# Altium PCB CONTROLLER_BASE.PcbDoc (part 6 of 7)
Units mm, origin at the board's own origin, x right, y up, seen from the top; angles counter-clockwise.
Board outline 258 x 160 mm, 4 copper layers (Top Layer, Internal Plane 1, Internal Plane 2, Bottom Layer); 818 components, 410 nets, 2314 pads, 511 vias.
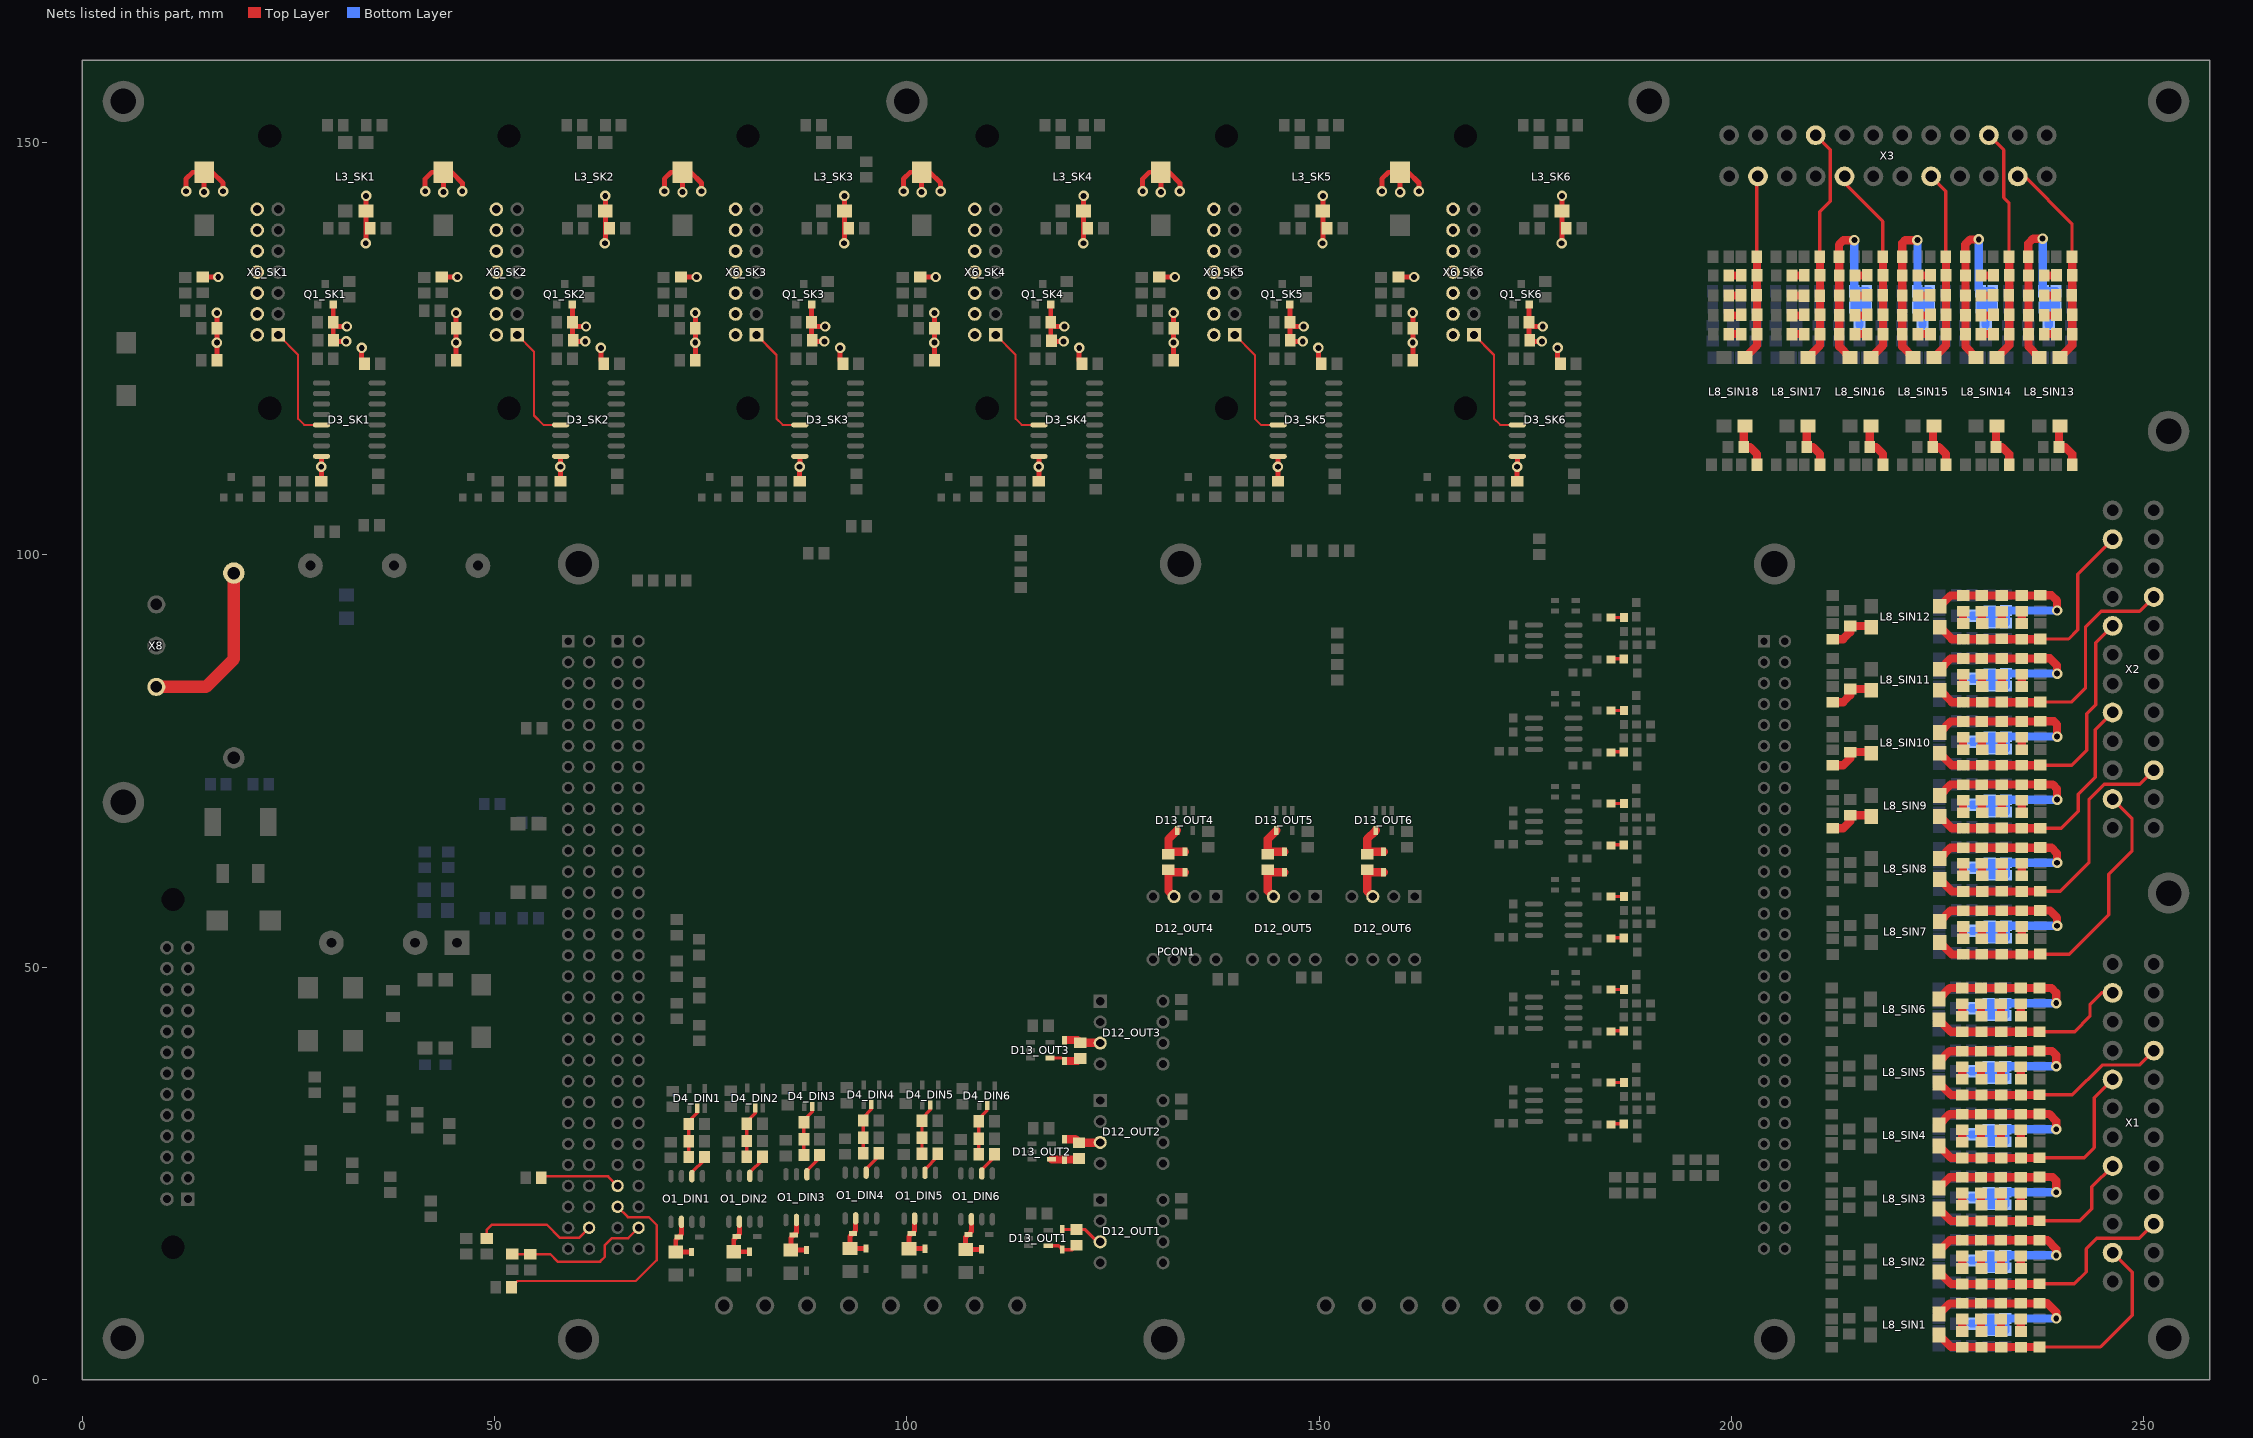
[diagram p8: the nets of this part, all layers, seen from the top]

## Via types
v1: diameter 1.27, hole 0.711, Top Layer to Bottom Layer, tented both sides, 414 vias
v2: diameter 0.9, hole 0.4, Top Layer to Bottom Layer, tented both sides, 95 vias
v3: diameter 0.9, hole 0.5, Top Layer to Bottom Layer, tented both sides, 2 vias

## Nets (pads, with @x,y where several pads share a name; then routed paths per layer and width w, separated by ;. In a path a pad name is that pad's centre, name@x,y a point inside that pad or via, vN(x,y) a via of type N, cw(c..) or ccw(c..) an arc to the next point about the centre after c; other vN are vias at no path point) (continued)
NetC45_SIN9_2: C45_SIN9.2 L7_SIN9.1 L8_SIN9.1 | length 5.7
  Top Layer w1: L7_SIN9.1@212.249,66.847 213.529,66.847 214.382,67.7 C45_SIN9.2@214.382,68.447 L8_SIN9.1@216.806,68.447
NetC45_SIN10_2: C45_SIN10.2 L7_SIN10.1 L8_SIN10.1 | length 5.7
  Top Layer w1: L7_SIN10.1@212.249,74.492 213.529,74.492 214.382,75.345 C45_SIN10.2@214.382,76.092 L8_SIN10.1@216.806,76.092
NetC45_SIN11_2: C45_SIN11.2 L7_SIN11.1 L8_SIN11.1 | length 5.7
  Top Layer w1: L7_SIN11.1@212.249,82.137 213.529,82.137 214.382,82.991 C45_SIN11.2@214.382,83.738 L8_SIN11.1@216.806,83.738
NetC45_SIN12_2: C45_SIN12.2 L7_SIN12.1 L8_SIN12.1 | length 5.7
  Top Layer w1: L7_SIN12.1@212.249,89.783 213.529,89.783 214.382,90.636 C45_SIN12.2@214.382,91.383 L8_SIN12.1@216.806,91.383
NetC45_SIN13_2: C45_SIN13.2 L7_SIN13.1 L8_SIN13.1 | length 5.7
  Top Layer w1: L8_SIN13.1@239.703,115.508 C45_SIN13.2@239.703,113.085 240.45,113.085 241.303,112.231 L7_SIN13.1@241.303,110.951
NetC45_SIN14_2: C45_SIN14.2 L7_SIN14.1 L8_SIN14.1 | length 5.7
  Top Layer w1: L8_SIN14.1@232.058,115.508 C45_SIN14.2@232.058,113.085 232.805,113.085 233.658,112.231 L7_SIN14.1@233.658,110.951
NetC45_SIN15_2: C45_SIN15.2 L7_SIN15.1 L8_SIN15.1 | length 5.7
  Top Layer w1: L8_SIN15.1@224.412,115.508 C45_SIN15.2@224.412,113.085 225.159,113.085 226.013,112.231 L7_SIN15.1@226.013,110.951
NetC45_SIN16_2: C45_SIN16.2 L7_SIN16.1 L8_SIN16.1 | length 5.7
  Top Layer w1: L8_SIN16.1@216.767,115.508 C45_SIN16.2@216.767,113.085 217.514,113.085 218.367,112.231 L7_SIN16.1@218.367,110.951
NetC45_SIN17_2: C45_SIN17.2 L7_SIN17.1 L8_SIN17.1 | length 5.7
  Top Layer w1: L8_SIN17.1@209.122,115.508 C45_SIN17.2@209.122,113.085 209.868,113.085 210.722,112.231 L7_SIN17.1@210.722,110.951
NetC45_SIN18_2: C45_SIN18.2 L7_SIN18.1 L8_SIN18.1 | length 5.7
  Top Layer w1: L8_SIN18.1@201.476,115.508 C45_SIN18.2@201.476,113.085 202.223,113.085 203.076,112.231 L7_SIN18.1@203.076,110.951
NetC48_DIN1_1: C48_DIN1.1 D4_DIN1.2 R57_DIN1.2 R58_DIN1.2 | length 6.3
  Top Layer w0.4: R58_DIN1.2@73.574,27.006 R57_DIN1.2@73.574,30.993 73.574,31.359 74.574,32.36 D4_DIN1.2@74.574,32.912
NetC48_DIN2_1: C48_DIN2.1 D4_DIN2.2 R57_DIN2.2 R58_DIN2.2 | length 6.3
  Top Layer w0.4: R58_DIN2.2@80.602,27.038 R57_DIN2.2@80.602,31.026 80.602,31.301 81.603,32.302 D4_DIN2.2@81.603,32.945
NetC48_DIN3_1: C48_DIN3.1 D4_DIN3.2 R57_DIN3.2 R58_DIN3.2 | length 6.3
  Top Layer w0.4: R58_DIN3.2@87.518,27.234 R57_DIN3.2@87.518,31.222 87.518,31.46 88.519,32.461 D4_DIN3.2@88.519,33.141
NetC48_DIN4_1: C48_DIN4.1 D4_DIN4.2 R57_DIN4.2 R58_DIN4.2 | length 6.3
  Top Layer w0.4: R58_DIN4.2@94.701,27.432 R57_DIN4.2@94.701,31.42 94.701,31.76 95.702,32.761 D4_DIN4.2@95.702,33.339
NetC48_DIN5_1: C48_DIN5.1 D4_DIN5.2 R57_DIN5.2 R58_DIN5.2 | length 6.3
  Top Layer w0.4: R58_DIN5.2@101.844,27.412 R57_DIN5.2@101.844,31.4 101.844,31.714 102.845,32.715 D4_DIN5.2@102.845,33.319
NetC48_DIN6_1: C48_DIN6.1 D4_DIN6.2 R57_DIN6.2 R58_DIN6.2 | length 6.3
  Top Layer w0.4: R58_DIN6.2@108.727,27.325 R57_DIN6.2@108.727,31.313 108.727,31.638 109.728,32.639 D4_DIN6.2@109.728,33.232
NetD12_OUT1_3: D12_OUT1.3 R49_OUT1.2 VD11_OUT1.1 | length 5.1
  Top Layer w0.4: VD11_OUT1.1@118.918,18.197 R49_OUT1.2@120.574,18.197 121.63,18.197 123.114,16.713 D12_OUT1.3@123.444,16.713
NetD12_OUT2_3: D12_OUT2.3 R49_OUT2.2 VD11_OUT2.1 | length 4
  Top Layer w1: 119.583,29.159 120.432,29.159 R49_OUT2.2@120.879,28.712 D12_OUT2.3@123.393,28.712
NetD12_OUT3_3: D12_OUT3.3 R49_OUT3.2 VD11_OUT3.1 | length 4.1
  Top Layer w1: 119.405,41.173 120.686,41.173 R49_OUT3.2@121.006,40.853 D12_OUT3.3@123.404,40.853
NetD12_OUT4_3: D12_OUT4.3 R49_OUT4.2 VD11_OUT4.1 | length 5.2
  Top Layer w1: R49_OUT4.2@131.72,61.812 131.72,59.252 D12_OUT4.3@132.4,58.572 ; R49_OUT4.2@132.02,61.512 VD11_OUT4.1@133.72,61.512
NetD12_OUT5_3: D12_OUT5.3 R49_OUT5.2 VD11_OUT5.1 | length 5.2
  Top Layer w1: R49_OUT5.2@143.77,61.812 143.77,59.252 D12_OUT5.3@144.45,58.572 ; R49_OUT5.2@144.07,61.512 VD11_OUT5.1@145.77,61.512
NetD12_OUT6_3: D12_OUT6.3 R49_OUT6.2 VD11_OUT6.1 | length 5.2
  Top Layer w1: R49_OUT6.2@155.82,61.812 155.82,59.252 D12_OUT6.3@156.5,58.572 ; R49_OUT6.2@156.12,61.512 VD11_OUT6.1@157.82,61.512
NetD13_OUT1_4: D13_OUT1.4 R49_OUT1.1 VD11_OUT1.2 | length 3.8
  Top Layer w0.4: D13_OUT1.4@117.151,16.22 118.394,16.22 VD11_OUT1.2@118.847,15.768 120.045,15.768 R49_OUT1.1@120.574,16.297
NetD13_OUT2_4: D13_OUT2.4 R49_OUT2.1 VD11_OUT2.2 | length 3.2
  Top Layer w1: D13_OUT2.4@117.557,26.711 R49_OUT2.1@120.777,26.711
NetD13_OUT3_4: D13_OUT3.4 R49_OUT3.1 VD11_OUT3.2 | length 3.1
  Top Layer w0.4: D13_OUT3.4@117.38,39.004 118.75,39.004
  Top Layer w1: 119.456,38.633 120.686,38.633 R49_OUT3.1@121.006,38.953
NetD13_OUT4_4: D13_OUT4.4 R49_OUT4.1 VD11_OUT4.2 | length 5
  Top Layer w1: R49_OUT4.1@131.72,63.712 131.72,65.562 D13_OUT4.4@132.77,66.612 ; R49_OUT4.1@132.02,64.012 VD11_OUT4.2@133.72,64.012
NetD13_OUT5_4: D13_OUT5.4 R49_OUT5.1 VD11_OUT5.2 | length 5
  Top Layer w1: R49_OUT5.1@143.77,63.712 143.77,65.562 D13_OUT5.4@144.82,66.612 ; R49_OUT5.1@144.07,64.012 VD11_OUT5.2@145.77,64.012
NetD13_OUT6_4: D13_OUT6.4 R49_OUT6.1 VD11_OUT6.2 | length 5
  Top Layer w1: R49_OUT6.1@155.82,63.712 155.82,65.562 D13_OUT6.4@156.87,66.612 ; R49_OUT6.1@156.12,64.012 VD11_OUT6.2@157.82,64.012
NetFH1_1: FH1.1 X8.3 | length 21.2
  Top Layer w1.5: X8.3@9,84 15,84 18.4,87.4 FH1.1@18.4,97.8
NetO1_DIN1_2: O1_DIN1.2 R56_DIN1.1 VD3_DIN1.1 VD4_DIN1.2 | length 5.9
  Top Layer w0.6: O1_DIN1.2@72.669,19.132 72.669,17.638 VD4_DIN1.2@72.334,17.303 71.984,16.953 R56_DIN1.1@71.984,15.477 73.912,15.477 VD3_DIN1.1@73.914,15.479
NetO1_DIN1_6: O1_DIN1.6 R58_DIN1.1 | length 2.6
  Top Layer w0.4: O1_DIN1.6@73.939,24.682 73.939,25.121 R58_DIN1.1@75.474,26.655
NetO1_DIN2_2: O1_DIN2.2 R56_DIN2.1 VD3_DIN2.1 VD4_DIN2.2 | length 5.9
  Top Layer w0.6: O1_DIN2.2@79.698,19.164 79.698,17.671 VD4_DIN2.2@79.362,17.335 79.012,16.985 R56_DIN2.1@79.012,15.51 80.94,15.51 VD3_DIN2.1@80.943,15.512
NetO1_DIN2_6: O1_DIN2.6 R58_DIN2.1 | length 2.6
  Top Layer w0.4: O1_DIN2.6@80.968,24.714 80.968,25.153 R58_DIN2.1@82.502,26.687
NetO1_DIN3_2: O1_DIN3.2 R56_DIN3.1 VD3_DIN3.1 VD4_DIN3.2 | length 5.9
  Top Layer w0.6: O1_DIN3.2@86.614,19.36 86.614,17.867 VD4_DIN3.2@86.278,17.531 85.928,17.181 R56_DIN3.1@85.928,15.706 87.856,15.706 VD3_DIN3.1@87.859,15.708
NetO1_DIN3_6: O1_DIN3.6 R58_DIN3.1 | length 2.6
  Top Layer w0.4: O1_DIN3.6@87.884,24.91 87.884,25.349 R58_DIN3.1@89.418,26.883
NetO1_DIN4_2: O1_DIN4.2 R56_DIN4.1 VD3_DIN4.1 VD4_DIN4.2 | length 5.9
  Top Layer w0.6: O1_DIN4.2@93.797,19.558 93.797,18.065 VD4_DIN4.2@93.461,17.729 93.111,17.379 R56_DIN4.1@93.111,15.903 95.039,15.903 VD3_DIN4.1@95.041,15.906
NetO1_DIN4_6: O1_DIN4.6 R58_DIN4.1 | length 2.6
  Top Layer w0.4: O1_DIN4.6@95.067,25.108 95.067,25.547 R58_DIN4.1@96.601,27.081
NetO1_DIN5_2: O1_DIN5.2 R56_DIN5.1 VD3_DIN5.1 VD4_DIN5.2 | length 5.9
  Top Layer w0.6: O1_DIN5.2@100.94,19.538 100.94,18.045 VD4_DIN5.2@100.604,17.709 100.254,17.359 R56_DIN5.1@100.254,15.883 102.182,15.883 VD3_DIN5.1@102.184,15.886
NetO1_DIN5_6: O1_DIN5.6 R58_DIN5.1 | length 2.6
  Top Layer w0.4: O1_DIN5.6@102.21,25.088 102.21,25.527 R58_DIN5.1@103.744,27.061
NetO1_DIN6_2: O1_DIN6.2 R56_DIN6.1 VD3_DIN6.1 VD4_DIN6.2 | length 5.9
  Top Layer w0.6: O1_DIN6.2@107.823,19.451 107.823,17.958 VD4_DIN6.2@107.487,17.622 107.137,17.272 R56_DIN6.1@107.137,15.796 109.065,15.796 VD3_DIN6.1@109.068,15.799
NetO1_DIN6_6: O1_DIN6.6 R58_DIN6.1 | length 2.6
  Top Layer w0.4: O1_DIN6.6@109.093,25.001 109.093,25.44 R58_DIN6.1@110.627,26.974
NetPCON1_P1_58: PCON1.P1_58 R31.1 | length 14.9
  Top Layer w0.3: R31.1@49.047,17.13 49.047,18.136 49.708,18.796 56.337,18.796 57.937,17.196 60.252,17.196 PCON1.P1_58@61.47,18.414
NetPCON1_P2_53: PCON1.P2_53 R65.1 | length 9.9
  Top Layer w0.3: R65.1@55.687,24.46 55.687,24.654 63.77,24.654 PCON1.P2_53@64.93,23.494
NetPCON1_P2_55: PCON1.P2_55 R66.1 | length 28.9
  Top Layer w0.3: R66.1@52.055,11.227 52.791,11.963 67.132,11.963 69.672,14.503 69.672,18.745 68.707,19.71 66.174,19.71 PCON1.P2_55@64.93,20.954
NetPCON1_P2_58: PCON1.P2_58 R59.1 R60.2 | length 18.2
  Top Layer w0.3: R60.2@52.146,15.225 56.759,15.225 57.658,14.326 62.814,14.326 63.398,14.91 63.398,16.307 64.262,17.17 66.227,17.17 PCON1.P2_58@67.47,18.414
NetR40_SIN1_1: R40_SIN1.1 R44_SIN1.2 | length 1.5
  Top Layer w1: R40_SIN1.1@235.08,5.87 R44_SIN1.2@235.08,7.35
NetR40_SIN2_1: R40_SIN2.1 R44_SIN2.2 | length 1.5
  Top Layer w1: R40_SIN2.1@235.08,13.515 R44_SIN2.2@235.08,14.996
NetR40_SIN3_1: R40_SIN3.1 R44_SIN3.2 | length 1.5
  Top Layer w1: R40_SIN3.1@235.08,21.161 R44_SIN3.2@235.08,22.641
NetR40_SIN4_1: R40_SIN4.1 R44_SIN4.2 | length 1.5
  Top Layer w1: R40_SIN4.1@235.08,28.806 R44_SIN4.2@235.08,30.286
NetR40_SIN5_1: R40_SIN5.1 R44_SIN5.2 | length 1.5
  Top Layer w1: R40_SIN5.1@235.08,36.451 R44_SIN5.2@235.08,37.932
NetR40_SIN6_1: R40_SIN6.1 R44_SIN6.2 | length 1.5
  Top Layer w1: R40_SIN6.1@235.08,44.097 R44_SIN6.2@235.08,45.577
NetR40_SIN7_1: R40_SIN7.1 R44_SIN7.2 | length 1.5
  Top Layer w1: R40_SIN7.1@235.179,53.477 R44_SIN7.2@235.179,54.959
NetR40_SIN8_1: R40_SIN8.1 R44_SIN8.2 | length 1.5
  Top Layer w1: R40_SIN8.1@235.179,61.124 R44_SIN8.2@235.179,62.605
NetR40_SIN9_1: R40_SIN9.1 R44_SIN9.2 | length 1.5
  Top Layer w1: R40_SIN9.1@235.179,68.77 R44_SIN9.2@235.179,70.25
NetR40_SIN10_1: R40_SIN10.1 R44_SIN10.2 | length 1.5
  Top Layer w1: R40_SIN10.1@235.179,76.415 R44_SIN10.2@235.179,77.896
NetR40_SIN11_1: R40_SIN11.1 R44_SIN11.2 | length 1.5
  Top Layer w1: R40_SIN11.1@235.179,84.061 R44_SIN11.2@235.179,85.541
NetR40_SIN12_1: R40_SIN12.1 R44_SIN12.2 | length 1.5
  Top Layer w1: R40_SIN12.1@235.179,91.706 R44_SIN12.2@235.179,93.186
NetR40_SIN13_1: R40_SIN13.1 R44_SIN13.2 | length 1.5
  Top Layer w1: R44_SIN13.2@237.9,133.881 R40_SIN13.1@239.38,133.881
NetR40_SIN14_1: R40_SIN14.1 R44_SIN14.2 | length 1.5
  Top Layer w1: R44_SIN14.2@230.254,133.881 R40_SIN14.1@231.735,133.881
NetR40_SIN15_1: R40_SIN15.1 R44_SIN15.2 | length 1.5
  Top Layer w1: R44_SIN15.2@222.609,133.881 R40_SIN15.1@224.089,133.881
NetR40_SIN16_1: R40_SIN16.1 R44_SIN16.2 | length 1.5
  Top Layer w1: R44_SIN16.2@214.964,133.881 R40_SIN16.1@216.444,133.881
NetR40_SIN17_1: R40_SIN17.1 R44_SIN17.2 | length 1.5
  Top Layer w1: R44_SIN17.2@207.318,133.881 R40_SIN17.1@208.799,133.881
NetR40_SIN18_1: R40_SIN18.1 R44_SIN18.2 | length 1.5
  Top Layer w1: R44_SIN18.2@199.673,133.881 R40_SIN18.1@201.153,133.881
NetR41_SIN1_1: R41_SIN1.1 R45_SIN1.2 | length 1.5
  Top Layer w1: R41_SIN1.1@227.974,5.847 R45_SIN1.2@227.974,7.35
NetR41_SIN2_1: R41_SIN2.1 R45_SIN2.2 | length 1.5
  Top Layer w1: R41_SIN2.1@227.974,13.492 R45_SIN2.2@227.974,14.996
NetR41_SIN3_1: R41_SIN3.1 R45_SIN3.2 | length 1.5
  Top Layer w1: R41_SIN3.1@227.974,21.137 R45_SIN3.2@227.974,22.641
NetR41_SIN4_1: R41_SIN4.1 R45_SIN4.2 | length 1.5
  Top Layer w1: R41_SIN4.1@227.974,28.783 R45_SIN4.2@227.974,30.286
NetR41_SIN5_1: R41_SIN5.1 R45_SIN5.2 | length 1.5
  Top Layer w1: R41_SIN5.1@227.974,36.428 R45_SIN5.2@227.974,37.932
NetR41_SIN6_1: R41_SIN6.1 R45_SIN6.2 | length 1.5
  Top Layer w1: R41_SIN6.1@227.974,44.074 R45_SIN6.2@227.974,45.577
NetR41_SIN7_1: R41_SIN7.1 R45_SIN7.2 | length 1.5
  Top Layer w1: R41_SIN7.1@228.073,53.456 R45_SIN7.2@228.073,54.959
NetR41_SIN8_1: R41_SIN8.1 R45_SIN8.2 | length 1.5
  Top Layer w1: R41_SIN8.1@228.073,61.101 R45_SIN8.2@228.073,62.605
NetR41_SIN9_1: R41_SIN9.1 R45_SIN9.2 | length 1.5
  Top Layer w1: R41_SIN9.1@228.073,68.747 R45_SIN9.2@228.073,70.25
NetR41_SIN10_1: R41_SIN10.1 R45_SIN10.2 | length 1.5
  Top Layer w1: R41_SIN10.1@228.073,76.392 R45_SIN10.2@228.073,77.896
NetR41_SIN11_1: R41_SIN11.1 R45_SIN11.2 | length 1.5
  Top Layer w1: R41_SIN11.1@228.073,84.037 R45_SIN11.2@228.073,85.541
NetR41_SIN12_1: R41_SIN12.1 R45_SIN12.2 | length 1.5
  Top Layer w1: R41_SIN12.1@228.073,91.683 R45_SIN12.2@228.073,93.186
NetR41_SIN13_1: R41_SIN13.1 R45_SIN13.2 | length 1.5
  Top Layer w1: R45_SIN13.2@237.9,126.775 R41_SIN13.1@239.403,126.775
NetR41_SIN14_1: R41_SIN14.1 R45_SIN14.2 | length 1.5
  Top Layer w1: R45_SIN14.2@230.254,126.775 R41_SIN14.1@231.758,126.775
NetR41_SIN15_1: R41_SIN15.1 R45_SIN15.2 | length 1.5
  Top Layer w1: R45_SIN15.2@222.609,126.775 R41_SIN15.1@224.113,126.775
NetR41_SIN16_1: R41_SIN16.1 R45_SIN16.2 | length 1.5
  Top Layer w1: R45_SIN16.2@214.964,126.775 R41_SIN16.1@216.467,126.775
NetR41_SIN17_1: R41_SIN17.1 R45_SIN17.2 | length 1.5
  Top Layer w1: R45_SIN17.2@207.318,126.775 R41_SIN17.1@208.822,126.775
NetR41_SIN18_1: R41_SIN18.1 R45_SIN18.2 | length 1.5
  Top Layer w1: R45_SIN18.2@199.673,126.775 R41_SIN18.1@201.176,126.775
NetR42_SIN1_1: R42_SIN1.1 R46_SIN1.2 | length 1.4
  Top Layer w1: R42_SIN1.1@230.241,5.916 R46_SIN1.2@230.241,7.35
NetR42_SIN2_1: R42_SIN2.1 R46_SIN2.2 | length 1.4
  Top Layer w1: R42_SIN2.1@230.241,13.562 R46_SIN2.2@230.241,14.996
NetR42_SIN3_1: R42_SIN3.1 R46_SIN3.2 | length 1.4
  Top Layer w1: R42_SIN3.1@230.241,21.207 R46_SIN3.2@230.241,22.641
NetR42_SIN4_1: R42_SIN4.1 R46_SIN4.2 | length 1.4
  Top Layer w1: R42_SIN4.1@230.241,28.853 R46_SIN4.2@230.241,30.286
NetR42_SIN5_1: R42_SIN5.1 R46_SIN5.2 | length 1.4
  Top Layer w1: R42_SIN5.1@230.241,36.498 R46_SIN5.2@230.241,37.932
NetR42_SIN6_1: R42_SIN6.1 R46_SIN6.2 | length 1.4
  Top Layer w1: R42_SIN6.1@230.241,44.143 R46_SIN6.2@230.241,45.577
NetR42_SIN7_1: R42_SIN7.1 R46_SIN7.2 | length 1.4
  Top Layer w1: R42_SIN7.1@230.34,53.526 R46_SIN7.2@230.34,54.959
NetR42_SIN8_1: R42_SIN8.1 R46_SIN8.2 | length 1.4
  Top Layer w1: R42_SIN8.1@230.34,61.171 R46_SIN8.2@230.34,62.605
NetR42_SIN9_1: R42_SIN9.1 R46_SIN9.2 | length 1.4
  Top Layer w1: R42_SIN9.1@230.34,68.816 R46_SIN9.2@230.34,70.25
NetR42_SIN10_1: R42_SIN10.1 R46_SIN10.2 | length 1.4
  Top Layer w1: R42_SIN10.1@230.34,76.462 R46_SIN10.2@230.34,77.896
NetR42_SIN11_1: R42_SIN11.1 R46_SIN11.2 | length 1.4
  Top Layer w1: R42_SIN11.1@230.34,84.107 R46_SIN11.2@230.34,85.541
NetR42_SIN12_1: R42_SIN12.1 R46_SIN12.2 | length 1.4
  Top Layer w1: R42_SIN12.1@230.34,91.753 R46_SIN12.2@230.34,93.186
NetR42_SIN13_1: R42_SIN13.1 R46_SIN13.2 | length 1.4
  Top Layer w1: R46_SIN13.2@237.9,129.042 R42_SIN13.1@239.334,129.042
NetR42_SIN14_1: R42_SIN14.1 R46_SIN14.2 | length 1.4
  Top Layer w1: R46_SIN14.2@230.254,129.042 R42_SIN14.1@231.688,129.042
NetR42_SIN15_1: R42_SIN15.1 R46_SIN15.2 | length 1.4
  Top Layer w1: R46_SIN15.2@222.609,129.042 R42_SIN15.1@224.043,129.042
NetR42_SIN16_1: R42_SIN16.1 R46_SIN16.2 | length 1.4
  Top Layer w1: R46_SIN16.2@214.964,129.042 R42_SIN16.1@216.397,129.042
NetR42_SIN17_1: R42_SIN17.1 R46_SIN17.2 | length 1.4
  Top Layer w1: R46_SIN17.2@207.318,129.042 R42_SIN17.1@208.752,129.042
NetR42_SIN18_1: R42_SIN18.1 R46_SIN18.2 | length 1.4
  Top Layer w1: R46_SIN18.2@199.673,129.042 R42_SIN18.1@201.107,129.042
NetR43_SIN1_1: R43_SIN1.1 R47_SIN1.2 | length 1.5
  Top Layer w1: R43_SIN1.1@232.661,5.893 R47_SIN1.2@232.661,7.35
NetR43_SIN2_1: R43_SIN2.1 R47_SIN2.2 | length 1.5
  Top Layer w1: R43_SIN2.1@232.661,13.539 R47_SIN2.2@232.661,14.996
NetR43_SIN3_1: R43_SIN3.1 R47_SIN3.2 | length 1.5
  Top Layer w1: R43_SIN3.1@232.661,21.184 R47_SIN3.2@232.661,22.641
NetR43_SIN4_1: R43_SIN4.1 R47_SIN4.2 | length 1.5
  Top Layer w1: R43_SIN4.1@232.661,28.829 R47_SIN4.2@232.661,30.286
NetR43_SIN5_1: R43_SIN5.1 R47_SIN5.2 | length 1.5
  Top Layer w1: R43_SIN5.1@232.661,36.475 R47_SIN5.2@232.661,37.932
NetR43_SIN6_1: R43_SIN6.1 R47_SIN6.2 | length 1.5
  Top Layer w1: R43_SIN6.1@232.661,44.12 R47_SIN6.2@232.661,45.577
NetR43_SIN7_1: R43_SIN7.1 R47_SIN7.2 | length 1.5
  Top Layer w1: R43_SIN7.1@232.759,53.502 R47_SIN7.2@232.759,54.959
NetR43_SIN8_1: R43_SIN8.1 R47_SIN8.2 | length 1.5
  Top Layer w1: R43_SIN8.1@232.759,61.148 R47_SIN8.2@232.759,62.605
NetR43_SIN9_1: R43_SIN9.1 R47_SIN9.2 | length 1.5
  Top Layer w1: R43_SIN9.1@232.759,68.793 R47_SIN9.2@232.759,70.25
NetR43_SIN10_1: R43_SIN10.1 R47_SIN10.2 | length 1.5
  Top Layer w1: R43_SIN10.1@232.759,76.439 R47_SIN10.2@232.759,77.896
NetR43_SIN11_1: R43_SIN11.1 R47_SIN11.2 | length 1.5
  Top Layer w1: R43_SIN11.1@232.759,84.084 R47_SIN11.2@232.759,85.541
NetR43_SIN12_1: R43_SIN12.1 R47_SIN12.2 | length 1.5
  Top Layer w1: R43_SIN12.1@232.759,91.729 R47_SIN12.2@232.759,93.186
NetR43_SIN13_1: R43_SIN13.1 R47_SIN13.2 | length 1.5
  Top Layer w1: R47_SIN13.2@237.9,131.462 R43_SIN13.1@239.357,131.462
NetR43_SIN14_1: R43_SIN14.1 R47_SIN14.2 | length 1.5
  Top Layer w1: R47_SIN14.2@230.254,131.462 R43_SIN14.1@231.711,131.462
NetR43_SIN15_1: R43_SIN15.1 R47_SIN15.2 | length 1.5
  Top Layer w1: R47_SIN15.2@222.609,131.462 R43_SIN15.1@224.066,131.462
NetR43_SIN16_1: R43_SIN16.1 R47_SIN16.2 | length 1.5
  Top Layer w1: R47_SIN16.2@214.964,131.462 R43_SIN16.1@216.421,131.462
NetR43_SIN17_1: R43_SIN17.1 R47_SIN17.2 | length 1.5
  Top Layer w1: R47_SIN17.2@207.318,131.462 R43_SIN17.1@208.775,131.462
NetR43_SIN18_1: R43_SIN18.1 R47_SIN18.2 | length 1.5
  Top Layer w1: R47_SIN18.2@199.673,131.462 R43_SIN18.1@201.13,131.462
NetR50_LIM1_2: R50_LIM1.2 R51_LIM1.1 | length 1.6
  Top Layer w0.4: R50_LIM1.2@185.367,30.925 185.457,31.015 R51_LIM1.1@186.93,31.015
NetR50_LIM2_2: R50_LIM2.2 R51_LIM2.1 | length 1.6
  Top Layer w0.4: R50_LIM2.2@185.367,42.203 185.457,42.293 R51_LIM2.1@186.93,42.293
NetR50_LIM3_2: R50_LIM3.2 R51_LIM3.1 | length 1.6
  Top Layer w0.4: R50_LIM3.2@185.367,53.481 185.457,53.57 R51_LIM3.1@186.93,53.57
NetR50_LIM4_2: R50_LIM4.2 R51_LIM4.1 | length 1.6
  Top Layer w0.4: R50_LIM4.2@185.367,64.758 185.457,64.848 R51_LIM4.1@186.93,64.848
NetR50_LIM5_2: R50_LIM5.2 R51_LIM5.1 | length 1.6
  Top Layer w0.4: R50_LIM5.2@185.367,76.036 185.457,76.126 R51_LIM5.1@186.93,76.126
NetR50_LIM6_2: R50_LIM6.2 R51_LIM6.1 | length 1.6
  Top Layer w0.4: R50_LIM6.2@185.367,87.313 185.457,87.403 R51_LIM6.1@186.93,87.403
NetR54_LIM1_2: R54_LIM1.2 R55_LIM1.1 | length 1.6
  Top Layer w0.4: R55_LIM1.1@185.367,36.031 R54_LIM1.2@186.942,36.031
NetR54_LIM2_2: R54_LIM2.2 R55_LIM2.1 | length 1.6
  Top Layer w0.4: R55_LIM2.1@185.367,47.308 R54_LIM2.2@186.942,47.308
NetR54_LIM3_2: R54_LIM3.2 R55_LIM3.1 | length 1.6
  Top Layer w0.4: R55_LIM3.1@185.367,58.586 R54_LIM3.2@186.942,58.586
NetR54_LIM4_2: R54_LIM4.2 R55_LIM4.1 | length 1.6
  Top Layer w0.4: R55_LIM4.1@185.367,69.864 R54_LIM4.2@186.942,69.864
NetR54_LIM5_2: R54_LIM5.2 R55_LIM5.1 | length 1.6
  Top Layer w0.4: R55_LIM5.1@185.367,81.141 R54_LIM5.2@186.942,81.141
NetR54_LIM6_2: R54_LIM6.2 R55_LIM6.1 | length 1.6
  Top Layer w0.4: R55_LIM6.1@185.367,92.419 R54_LIM6.2@186.942,92.419
P_GND_SK1: C19_SK1.2 C23_SK1.1 C25_SK1.1 C26_SK1.1 C27_SK1.1 C30_SK1.1 D3_SK1.8 L3_SK1.3 Q1_SK1.2 R35_SK1.2 R36_SK1.1 R39_SK1.2 X6_SK1.2 X6_SK1.4 X6_SK1.6 X6_SK1.8 X6_SK1.10 X6_SK1.12 X6_SK1.14 | length 37.2
  Top Layer w0.6: v1(12.6,144.1) 12.6,145.6 13.4,146.4 C19_SK1.2@14.8,146.4 ; C26_SK1.1@14.61,133.7 v1(16.5,133.7) ; v1(14.8,144) C19_SK1.2@14.8,146.4 ; C30_SK1.1@16.35,123.6 v1(16.35,125.75) R39_SK1.2@16.35,127.5 v1(16.35,129.35) ; v1(17.1,144.1) 17.1,145.1 15.8,146.4 C19_SK1.2@14.8,146.4 ; R36_SK1.1@29,108.95 29,110.8 29.025,110.825 D3_SK1.8@29.025,111.955 ; Q1_SK1.2@30.45,130.35 C27_SK1.1@30.45,128.2 ; v1(32,125.9) 30.55,125.9 30.45,126 C27_SK1.1@30.45,128.2 ; v1(32.1,127.7) 30.95,127.7 C27_SK1.1@30.45,128.2 ; v1(33.9,125.1) 33.9,123.55 C25_SK1.1@34.25,123.2 ; v1(34.4,137.8) 34.44,137.84 C23_SK1.1@34.44,140.11 ; v1(34.44,143.54) L3_SK1.3@34.44,141.7 C23_SK1.1@34.44,140.11 ; C23_SK1.1@34.95,139.6 C23_SK1.1@34.44,140.11